# KiCad board corne-chocolate.kicad_pcb (continued)
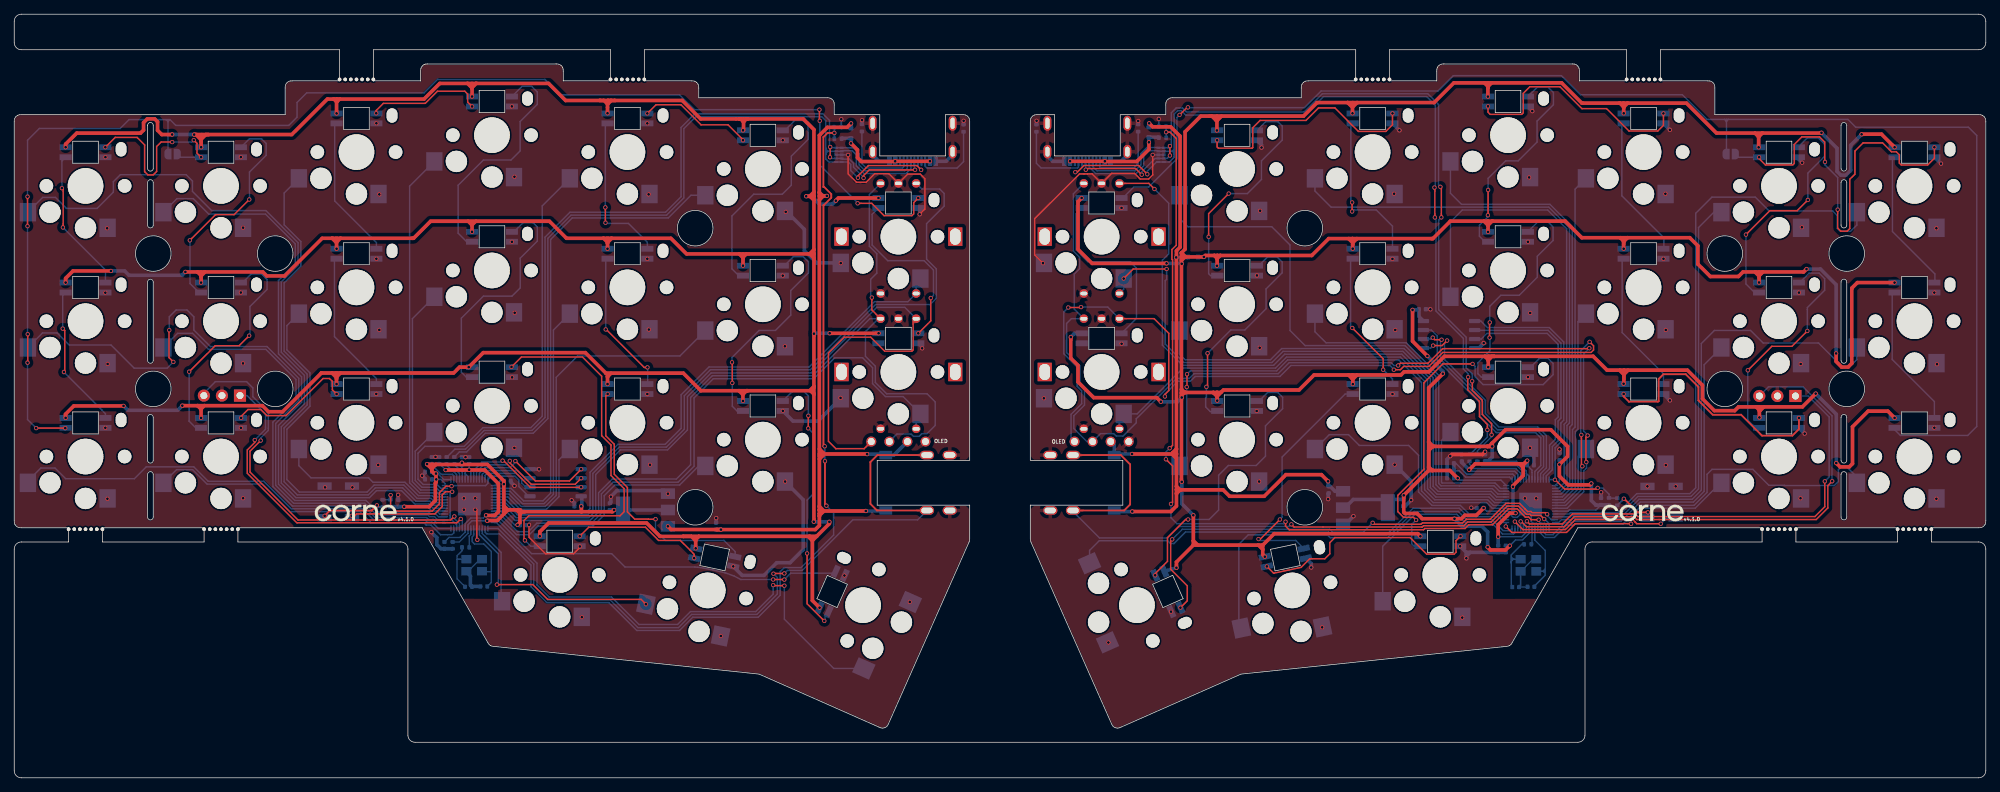
[diagram p0: board, top side]
## Routing (per net, layer and track width the routed paths; a pad name or vN(x,y) marks a point on that pad's centre or on a via; arc(x,y) is an arc through that point) (continued)
/right/D-: length 133.3
  Top w0.203: v1(199.71,83.09) 199.76,83.04 v1(199.76,78.88) ; v1(204.43,56.4) 204.39,56.36 204.39,54.62 206.03,52.98 206.03,50.85 207.14,49.74 207.14,48.97 v1(207.14,48.97) ; v1(159.33,84.96) 158.09,86.19 150.41,86.19 149.48,85.26 v1(149.21,85.26)
  Bottom w0.203: 163.1,87.35 163.1,87.84 163.1,87.97 ; 163.1,87.35 162.43,86.69 rU3.5 rU3.6 160.63,86.69 159.33,85.39 v1(159.33,84.96) ; 163.1,87.35 163.1,88.11 163.02,88.19 162.85,88.19 ; 163.1,87.97 162.88,88.19 162.85,88.19 ; 163.1,87.97 163.1,88.46 ; 162.85,88.19 rU3.2 rU3.9 160.78,88.29 159.39,88.29 158.82,87.72 158.82,86.14 157.74,85.07 152.07,85.07 151.15,85.99 rJ1.A7 ; 162.85,88.19 162.85,88.22 163.1,88.46 ; v1(199.71,83.09) 199.83,83.21 199.83,94.68 198.61,95.9 184.1,95.9 181.49,93.29 164.72,93.29 164.11,93.91 163.59,93.91 163.1,93.41 163.1,88.46 ; v1(199.76,78.88) 199.91,78.74 199.91,65.72 203.77,61.86 203.77,57.55 204.43,56.89 v1(204.43,56.4) ; rR5.2 204.74,45.56 207.14,47.97 v1(207.14,48.97) ; v1(149.21,85.26) 149.48,85.26 150.15,85.93 rJ1.B7
/right/KEY1: length 64.2
  Bottom w0.203: rSW1.1 151.21,32.01 152.57,33.37 162.19,33.37 162.58,32.97 163.07,32.97 164.69,34.59 184.82,34.59 185.21,34.2 192.94,34.2 196.7,37.95 199.2,37.95 199.2,37.95 203.19,37.95 204.39,36.75 208.7,36.75 209.11,36.34 rU1.30
/right/KEY2: length 76.6
  Top w0.203: v1(164.91,56.81) 164.91,55.06 v1(164.86,55.01)
  Bottom w0.203: rU1.34 207.83,37.94 207.04,38.74 199.53,38.74 197.88,40.38 197.88,55.64 194.7,58.83 179.06,58.83 177.51,57.28 165.38,57.28 v1(164.91,56.81) ; rSW2.1 164.86,44.92 v1(164.86,55.01)
/right/KEY3: length 67.8
  Bottom w0.203: rU1.38 208.46,39.54 207.69,40.31 200.23,40.31 199.51,41.03 199.51,56.33 195.42,60.42 178.22,60.42 176.65,58.85 164.64,58.85 163.85,59.64 rSW3.1
/right/KEY4: length 81.2
  Bottom w0.203: 163.85,82 163.85,78.75 165.03,77.57 176.82,77.57 179.39,75 179.39,62.97 181.52,60.84 195.56,60.84 199.91,56.5 199.91,41.26 200.46,40.7 207.85,40.7 208.61,39.94 rU1.39
/right/KEY5: length 78
  Bottom w0.203: rU1.3 217.33,40.34 218.33,41.34 218.33,49.59 218.68,49.95 218.68,77.43 215.78,80.33 185.16,80.33 182.9,82.6 rSW5.1
/right/KEY6: length 47.6
  Bottom w0.203: rSW6.1 182.9,62.79 184.46,61.23 195.73,61.23 200.3,56.66 200.3,41.43 200.63,41.1 203.22,41.1 203.22,41.1 208.08,41.1 208.83,40.34 rU1.40
/right/KEY7: length 35.5
  Bottom w0.203: rU1.31 209.26,36.74 208.86,37.14 204.56,37.14 203.35,38.34 199.36,38.34 197.47,40.24 197.47,45.4 196.08,46.78 189.14,46.78 187.62,48.3 184.92,48.3 rSW7.1
/right/KEY8: length 53.9
  Bottom w0.203: rU1.28 210.31,34.79 209.37,34.79 207.81,36.35 204.19,36.35 203.05,37.5 196.8,37.5 193.11,33.8 185.05,33.8 184.65,34.2 173.52,34.2 172.2,32.88 172.2,21.43 rSW8.1
/right/KEY9: length 30
  Bottom w0.203: rU1.27 211.02,34.51 210.84,34.32 209.28,34.32 207.64,35.96 203.96,35.96 202.82,37.1 196.97,37.1 193.27,33.41 193.24,33.41 192.43,32.6 rSW9.1
/right/KEY10: length 17
  Bottom w0.203: rU1.41 209.78,40.73 209,40.73 208.24,41.49 203.39,41.49 203.38,41.49 200.79,41.49 200.69,41.59 200.69,47.49 201.88,48.67
/right/KEY11: length 66.2
  Bottom w0.203: rSW11.1 201.95,78.26 203.62,79.93 215.62,79.93 218.29,77.26 218.29,50.11 217.94,49.76 217.94,41.5 217.18,40.74 rU1.2
/right/KEY12: length 62.7
  Bottom w0.203: rSW12.1 201.95,82.28 203.51,80.73 215.94,80.73 219.08,77.59 219.08,49.73 218.72,49.38 218.72,41.17 217.49,39.94 rU1.4
/right/KEY13: length 47.2
  Bottom w0.203: rU1.5 217.68,39.54 219.12,40.98 219.12,49.02 219.47,49.37 219.47,82.86 rSW13.1
/right/KEY14: length 28.7
  Bottom w0.203: rSW14.1 219.88,64.22 219.88,49.1 219.51,48.73 219.51,40.82 217.83,39.14 rU1.6
/right/KEY15: length 10.1
  Bottom w0.203: rSW15.1 219.91,45.19 219.91,40.66 217.99,38.74 rU1.7
/right/KEY16: length 34.5
  Top w0.203: v1(227.35,35.75) 227.33,35.77 219.5,35.77 218.27,34.55 210.57,34.55 v1(209.73,35.38)
  Bottom w0.203: rU1.29 209.78,35.44 v1(209.73,35.38) ; rSW16.1 239.93,41.52 236.37,37.96 228.99,37.96 227.35,36.31 v1(227.35,35.75)
/right/KEY17: length 47.1
  Bottom w0.203: rU1.17 215.02,34.58 215.38,34.23 216.37,34.23 218.1,35.95 219.14,35.95 219.31,36.13 225.94,36.13 228.63,38.81 236.11,38.81 237.62,40.32 237.62,58.14 rSW17.1
/right/KEY18: length 62.7
  Bottom w0.203: rSW18.1 239,79.62 236.83,77.46 236.83,40.67 235.77,39.61 228.31,39.61 225.61,36.91 218.99,36.91 218.81,36.74 rU1.12
/right/KEY19: length 88.8
  Bottom w0.203: rSW19.1 259.1,77.82 258.21,76.93 256.76,76.93 256.35,77.34 256.35,79.14 255.69,79.8 246.76,79.8 244.82,81.74 238.72,81.74 236.44,79.47 236.44,40.83 235.61,40 228.15,40 225.45,37.31 218.82,37.31 218.66,37.14 rU1.11
/right/KEY20: length 70
  Bottom w0.203: rSW20.1 259.1,58.88 258.06,57.84 257.08,57.84 253.71,61.21 245.92,61.21 244.16,62.97 239.06,62.97 237.23,61.14 237.23,40.49 235.96,39.21 228.47,39.21 225.78,36.52 219.15,36.52 218.98,36.35 217.58,36.35 217.18,35.94 rU1.14
/right/KEY21: length 55.3
  Bottom w0.203: rSW21.1 259.1,42.35 257.66,43.79 256.91,43.79 256.5,43.38 256.5,41.71 255.93,41.14 248.95,41.14 248.92,41.18 246.72,41.18 244.48,43.42 238.74,43.42 238.03,42.72 238.03,40.18 236.2,38.35 228.83,38.35 226.21,35.73 219.48,35.73 219.3,35.56 218.3,35.56 216.57,33.83 215.21,33.83 214.62,34.43 rU1.18
/right/KEYEX1: length 86.9
  Top w0.203: v1(156,70.28) 157.35,71.63 162.04,71.63 v1(162.04,71.62)
  Bottom w0.203: v1(156,70.28) 156,68.78 rEXSW1.S2 ; v1(162.04,71.62) 162.04,70.17 161.83,69.97 161.83,61.07 164.44,58.46 176.85,58.46 178.42,60.03 195.26,60.03 199.12,56.17 199.12,40.86 200.07,39.92 207.52,39.92 208.3,39.14 rU1.37
/right/KEYEX2: length 78.4
  Bottom w0.203: rU1.35 207.99,38.34 207.2,39.13 199.74,39.13 198.32,40.55 198.32,55.81 194.91,59.22 178.9,59.22 177.35,57.67 164.34,57.67 157.9,51.23 rEXSW2.S2 156,50.73 155.4,50.13
  Bottom w0.25: rEXSW2.S2 155.4,50.63 rEXSW2.S2
/right/LED: length 68.6
  Top w0.203: v1(163.99,23.95) 164.95,24.92 164.95,27.02 162.61,29.36 162.61,33.35 v1(162.83,33.57) ; v1(191.01,35.89) 191.21,35.7 197.82,35.7 198,35.88 203.67,35.88 204.2,36.4 207.53,36.4 209.76,38.64 211.67,38.64 212.48,37.83 212.48,37.81 212.8,37.49 213.28,37.49 213.45,37.32 215.33,37.32 v1(215.55,37.1)
  Bottom w0.203: v1(162.83,33.57) 164.25,34.99 184.99,34.99 185.39,34.59 189.71,34.59 v1(191.01,35.89) ; rU1.13 216.14,36.34 215.55,36.93 v1(215.55,37.1)
/right/QSPI_SCLK: length 32.2
  Top w0.203: v1(200.7,61.67) 199.76,61.67 v1(199.46,61.96)
  Bottom w0.203: v1(200.7,61.67) 200.64,61.72 200.56,61.72 200.56,58.88 206.47,52.97 206.47,51.08 208.56,48.99 214.07,48.99 215.05,48.02 215.05,43.79 214.23,42.97 214.23,41.98 rU1.52 ; v1(199.46,61.96) 199.26,61.76 rU4.6
/right/QSPI_SD0: length 33
  Top w0.203: v1(199.52,60.84) 200.77,60.84 v1(201.48,61.55)
  Bottom w0.203: v1(199.52,60.84) 199.16,60.49 rU4.5 ; rU1.53 214.62,42.81 215.44,43.63 215.44,48.18 214.24,49.38 208.75,49.38 206.87,51.27 206.87,53.13 201.12,58.88 201.12,61.19 v1(201.48,61.55)
/right/QSPI_SD1: length 33
  Bottom w0.203: rU1.55 215.42,42.5 216.28,43.35 216.28,46.62 217.09,47.43 217.09,50.23 217.49,50.63 217.49,61.19 215.68,62.99 205.39,62.99 rU4.2
/right/QSPI_SD2: length 32.6
  Bottom w0.203: rU4.3 206.29,61.76 207.08,62.56 215.56,62.56 217.09,61.02 217.09,50.79 216.69,50.39 216.69,47.64 215.88,46.83 215.88,43.52 215.02,42.65 rU1.54
/right/QSPI_SD3: length 32.1
  Bottom w0.203: rU4.7 199.27,63.03 200.09,62.2 200.09,61.11 200.11,61.09 200.11,60.6 200.09,60.58 200.09,58.79 206.08,52.8 206.08,50.9 208.39,48.6 213.91,48.6 214.66,47.85 214.66,43.96 213.82,43.12 rU1.51
/right/QSPI_SS: length 44.8
  Top w0.203: v1(216.64,41.96) 216.69,41.96 218,40.64 222.48,40.64 v1(222.65,40.81)
  Bottom w0.203: v1(222.65,40.81) 222.68,40.79 223.39,40.79 224.25,39.93 rR7.1 224.28,39.37 rR6.1 ; rU4.1 206.23,64.3 207.14,63.38 215.85,63.38 217.88,61.35 217.88,50.34 217.48,49.94 217.48,47.26 216.67,46.45 216.67,41.99 v1(216.64,41.96) 216.62,41.98 rU1.56
/right/RE0A: length 96.2
  Top w0.203: rEXSW1.A 159.53,83.68 v1(160.33,82.88)
  Bottom w0.203: rU1.36 208.15,38.74 207.36,39.52 199.9,39.52 198.73,40.7 198.73,56.01 195.1,59.63 178.65,59.63 177.08,58.07 164.28,58.07 161.44,60.91 161.44,72.86 162.33,73.75 162.33,80.88 v1(160.33,82.88)
/right/RE1A: length 136.9
  Top w0.203: rEXSW2.A 160.28,64.63 162.34,62.57 162.34,54.5 161.8,53.96 v1(161.8,53.68) ; v1(150.01,66.26) 149.95,66.2 v1(148.21,66.2) ; v1(221.52,61.36) 222.07,60.81 222.07,60.23 221.72,59.88 200.87,59.88 198.9,57.91 195.37,57.91 194.91,57.45 v1(193.99,57.45) ; v1(220.36,48.26) 220.36,47.81 220.37,47.8 220.37,43.98 v1(220.5,43.85)
  Bottom w0.203: rJ3.1 148.61,47.82 148.61,51.17 150.1,52.66 150.1,54.46 149.46,55.11 149.46,57.83 147.58,59.7 147.58,65.57 v1(148.21,66.2) ; v1(161.8,53.68) 161.8,54 163.63,55.83 165.39,55.83 166.06,56.49 177.97,56.49 179.52,58.04 193.44,58.04 193.99,57.49 v1(193.99,57.45) ; v1(220.36,48.26) 220.27,48.35 220.27,60.12 v1(221.52,61.36) ; rEXSW2.A 153.77,66.26 v1(150.01,66.26) ; rU1.8 218.14,38.34 220.3,40.5 220.3,43.66 v1(220.5,43.85)
/right/REB: length 145.8
  Top w0.203: v1(221.06,44.44) 220.99,44.51 220.99,47.93 v1(221.24,48.18) ; v1(194.6,58.04) 194.92,58.36 198.8,58.36 200.85,60.41 221.42,60.41 v1(221.48,60.47)
  Bottom w0.203: rU1.9 218.35,37.94 220.69,40.29 220.69,43.21 221.09,43.61 221.09,44.41 v1(221.06,44.44) ; v1(221.48,60.47) 220.67,59.66 220.67,48.84 221.24,48.26 v1(221.24,48.18) ; v1(194.6,58.04) 194,58.04 193.61,58.43 179.27,58.43 177.72,56.89 165.89,56.89 165.23,56.22 163.45,56.22 157.77,50.54 157.77,49.97 155.91,48.11 154.96,48.11 154.62,48.45 152.75,48.45 rJ3.2 150.83,47.33 149,49.16 149,50.97 150.49,52.47 150.49,54.67 149.85,55.31 149.85,57.99 147.97,59.87 147.97,63.96 148.65,64.63 rEXSW2.B 149.05,65.98 149.05,70.91 149.81,71.67 149.81,73.26 148.93,74.14 148.93,82.21 rEXSW1.B
/right/SWCLK: length 63.4
  Top w0.203: v1(254.59,41.73) 254.59,41.72 254.59,38.16 253.2,36.77 228.28,36.77 227.91,37.14 219.09,37.14 217.69,35.74 213.07,35.74 v1(212.71,36.11)
  Bottom w0.203: rU1.24 212.22,35.62 v1(212.71,36.11) ; v1(254.59,41.73) 255.2,42.34 255.2,50.8 252.25,53.75 rJ4.1
/right/SWD: length 71.6
  Top w0.203: v1(255.63,41.75) 255.02,41.13 255.02,37.99 253.38,36.36 231.28,36.36 231.28,36.35 228.14,36.35 227.75,36.75 219.35,36.75 217.93,35.33 212.65,35.33 211.89,36.09 v1(211.82,36.09)
  Bottom w0.203: v1(211.82,36.09) rU1.25 ; v1(255.63,41.75) 255.6,41.78 255.6,50.96 251.52,55.04 246.67,55.04 rJ4.3
/right/TX: length 95
  Top w0.203: v1(215.14,36.42) 214.64,36.93 213.28,36.93 213.12,37.1 212.63,37.1 212.09,37.64 212.09,37.67 211.51,38.24 209.93,38.24 207.69,36.01 204.36,36.01 203.83,35.49 198.17,35.49 197.98,35.3 179.96,35.3 v1(179.58,35.68)
  Top w0.25: rJ2.R 156.06,37.63 156.91,38.48 156.91,44.12 155.6,45.43 rJ2.R
  Bottom w0.203: v1(179.58,35.68) 179.28,35.38 163.8,35.38 162.19,33.76 152.6,33.76 148.88,37.48 ; v1(215.14,36.42) 215.18,36.42 215.82,35.78 rU1.15
/right/USB_VBUS_PIN: length 114.8
  Top w0.203: v1(162.47,46.39) 162.88,46.8 162.88,72.92 162.79,73.01 162.79,74.36 163.39,74.96 163.39,90.02 162.53,90.88 v1(161.97,90.88) ; v1(214.36,36.34) 213.3,36.34 213.3,36.36 212.95,36.7 212.47,36.7 211.69,37.48 211.69,37.5 211.35,37.85 210.09,37.85 207.86,35.62 204.52,35.62 204,35.09 198.34,35.09 198.16,34.91 179.29,34.91 178.76,35.44 v1(178.76,36.05) ; v1(162.66,38.55) 162.88,38.77 162.88,43.9 v1(161.94,44.84)
  Bottom w0.203: rR9.1 161.97,91.67 rR8.2 ; v1(162.47,46.39) 161.94,45.86 v1(161.94,44.84) ; rU1.16 215.42,35.62 215.21,35.83 214.65,35.83 214.36,36.13 v1(214.36,36.34) ; v1(162.66,38.55) 162.66,36.6 163.49,35.77 178.48,35.77 v1(178.76,36.05)
Net-(C2-Pad1): length 7.6
  Bottom w0.203: R3.1 62.97,31.96 62.28,31.27 62.28,30.78 ; C2.1 62.28,28.01 62.28,30.78 ; 62.28,30.78 62.29,30.77 Y1.3
Net-(D1-K): length 526.7
  Top w0.203: 7.22,50.67 v1(7.23,50.66) ; 83.42,55.42 v1(83.43,55.42) ; 45.32,55.42 v1(45.33,55.42) ; 26.29,69.71 26.28,69.71 v1(26.28,69.71) ; 112.46,36.04 v1(112.43,36.04)
  Top w0.508: 83.43,56.4 v1(83.43,55.42) ; 83.43,56.4 83.43,56.73 83.2,56.96 ; 83.43,56.4 83.43,56.46 83.92,56.96 ; 64.38,78.32 v1(64.38,76.85) ; 26.82,71.21 34.95,71.21 35.51,70.65 38.01,70.65 43.31,75.95 44.71,75.95 ; 26.82,71.21 25.76,71.21 ; 26.82,71.21 26.3,70.69 ; 102.95,73.75 101.95,73.75 ; 102.95,73.75 102.48,73.27 102.48,73.15 ; 102.95,73.75 111.75,73.75 ; 101.95,73.75 102.48,73.22 102.48,73.15 ; 101.95,73.75 94.53,73.75 92.33,75.95 84.01,75.95 ; 44.95,95.55 44.03,95.55 39.03,90.55 27.27,90.55 ; 44.95,95.55 45.33,95.17 ; 44.95,95.55 45.75,95.55 ; 102.48,73.15 102.48,73.75 ; 102.48,73.15 v1(102.48,72.09) ; 44.71,75.95 45.87,75.95 ; 44.71,75.95 45.23,75.43 ; 82.87,75.95 77.66,75.95 75.26,78.35 64.88,78.35 ; 82.87,75.95 83.43,75.39 ; 82.87,75.95 84.01,75.95 ; 101.95,92.75 102.15,92.75 102.55,92.35 ; 101.95,92.75 96.53,92.75 93.93,95.35 84.46,95.35 ; 101.95,92.75 102.55,92.75 ; 26.28,51.89 25.78,52.39 ; 26.28,51.89 v1(26.28,50.66) ; 26.28,51.89 26.28,51.93 26.73,52.39 ; 25.78,52.39 v1(23.64,52.39) ; 25.78,52.39 26.73,52.39 ; 45.89,56.99 61.79,56.99 62.61,57.8 v1(63.91,57.8) 65.96,59.85 80.31,59.85 83.2,56.96 ; 45.89,56.99 44.68,56.99 ; 45.89,56.99 45.31,56.41 45.32,56.41 45.32,56.15 ; 103.11,54.49 111.95,54.49 ; 103.11,54.49 101.91,54.49 ; 103.11,54.49 102.97,54.49 102.45,53.97 102.43,53.97 101.91,54.49 ; 83.46,75.39 84.01,75.95 ; v1(114.66,62.57) v1(121.54,62.57) ; 102.55,92.35 102.95,92.75 103.15,92.75 ; 102.55,92.35 102.55,91.22 v1(102.48,91.14) ; 102.55,92.35 102.55,92.75 ; v1(111.36,81.86) 111.85,81.86 ; 111.85,81.86 112.46,81.86 ; 111.85,81.86 111.87,81.86 ; 111.86,73.75 112.46,74.35 ; 111.86,73.75 112.46,73.15 ; 111.86,73.75 111.75,73.75 ; 112.46,74.35 112.46,81.31 ; 112.46,74.35 112.46,73.75 ; 111.82,33.99 111.82,33.8 112.23,33.39 ; 111.82,33.99 96.28,33.99 ; 111.82,33.99 112.83,33.99 ; 25.76,71.21 v1(24.07,71.21) ; 25.76,71.21 26.29,70.69 ; 111.95,54.58 112.46,55.09 112.46,54 111.96,54.49 ; v1(7.23,69.71) 7.23,70.31 8.26,71.35 v1(13.6,71.35) ; 64.38,77.84 64.88,78.35 ; 64.88,78.35 63.84,78.35 ; 26.29,89.81 26.29,89.88 26.95,90.55 27.27,90.55 ; 26.29,89.81 25.55,90.55 v1(25.3,90.55) 27.27,90.55 ; 26.29,89.81 26.29,89.56 ; 101.91,54.49 96.56,54.49 94.09,56.96 83.92,56.96 ; v1(7.23,88.76) 7.23,89.2 8.78,90.75 17.75,90.75 18.19,91.18 18.19,92.23 18.72,92.76 19.74,92.76 20.16,92.34 20.16,91.14 20.75,90.55 22.2,90.55 v1(22.21,90.56) ; 112.46,82.45 112.46,91.24 110.95,92.75 103.15,92.75 ; 112.46,82.45 112.46,81.86 ; 112.46,82.45 111.87,81.86 ; 112.23,33.39 112.23,24.96 v1(113.24,23.95) ; 112.23,33.39 112.83,33.99 ; 45.33,95.15 45.35,95.15 45.75,95.55 ; 45.33,95.15 v1(45.33,93.52) ; 45.33,95.15 45.33,95.52 45.35,95.55 ; 112.46,81.31 111.9,81.86 111.87,81.86 ; 112.46,81.31 112.46,81.86 ; 26.35,90.55 26.29,90.48 26.29,89.56 ; 112.46,73.15 v1(112.46,62.52) 112.46,54.97 ; 112.46,73.15 112.46,73.75 ; 83.43,75.8 83.43,75.23 ; 83.43,75.23 83.43,75.25 ; 83.43,75.23 v1(83.43,74.47) ; v1(95.82,32.29) 95.82,33.39 95.81,33.39 ; 83.2,56.96 83.92,56.96 ; 45.87,75.95 45.35,75.43 ; 45.87,75.95 56.15,75.95 58.55,78.35 63.84,78.35 ; v1(64.38,95.9) 64.38,97.15 ; 64.38,97.15 64.38,97.75 ; 64.38,97.15 64.35,97.15 ; 83.95,95.35 83.48,95.35 83.43,95.29 v1(83.43,93.54) ; 83.95,95.35 84.46,95.35 ; 83.95,95.35 83.46,94.85 83.43,94.85 82.93,95.35 82.35,95.35 ; 82.35,95.35 77.54,95.35 75.14,97.75 64.95,97.75 ; 82.35,95.35 84.46,95.35 ; 26.29,69.71 26.29,70.49 ; 26.29,70.49 26.29,70.5 ; 26.29,70.49 26.29,71.02 ; 45.32,56.15 45.32,56.16 ; 45.32,56.15 45.32,55.42 ; 45.32,56.15 45.32,56.73 ; v1(26.29,88.76) 26.29,89.56 ; 45.75,95.55 57.63,95.55 59.83,97.75 63.75,97.75 ; 44.68,56.99 43.18,56.99 43.18,56.98 37.74,51.53 35.75,51.53 34.89,52.39 26.73,52.39 ; 44.68,56.99 45.25,56.41 ; 64.35,97.15 63.75,97.75 ; 64.35,97.15 64.95,97.75 ; 63.75,97.75 64.95,97.75 ; 103.15,92.75 102.55,92.75 ; 96.28,33.99 94.1,33.99 94.09,33.98 ; 96.28,33.99 95.81,33.53 95.81,33.39 ; 95.81,33.39 95.22,33.98 94.09,33.98 ; v1(121.53,81.62) 121.52,81.61 115.91,81.61 v1(115.53,81.24) ; v1(45.33,74.47) 45.33,75.79 ; 94.09,33.98 90.8,33.98 88.92,35.86 75.14,35.86 73.9,34.62 v1(73.9,34) ; v1(114.63,36.03) 114.63,35.79 112.83,33.99 ; 111.75,73.75 112.46,73.75 ; 64.35,77.84 63.84,78.35 ; 112.46,53.88 112.46,36.04 ; 102.47,53.03 102.47,53.79 ; 7.22,50.67 7.22,51.19 8.37,52.35 v1(15.37,52.35)
  Bottom w0.203: 114.62,36.04 v1(114.63,36.03) ; 111.41,81.91 v1(111.36,81.86)
  Bottom w0.508: v1(25.3,90.55) 25.29,90.56 v1(22.21,90.56) ; v1(114.66,62.57) 112.51,62.57 v1(112.46,62.52) ; v1(112.43,36.04) 114.62,36.04 ; v1(13.6,71.35) 15.53,71.35 16.14,70.74 23.6,70.74 v1(24.07,71.21) ; EXLED2.1 121.53,62.57 v1(121.54,62.57) ; v1(15.37,52.35) 15.98,51.74 22.99,51.74 v1(23.64,52.39) ; 111.41,81.91 D1.1 112.15,81.82 113.21,80.76 115.05,80.76 v1(115.53,81.24) ; LED8.1 95.83,32.29 v1(95.82,32.29)
  vias: v1(102.48,53.04)
Net-(EXLED1-DIN): length 196.1
  Top w0.203: v1(127.13,81.62) 126.48,80.97 126.48,79.39 126.22,79.13 122.31,79.13 120.57,80.87 v1(118.59,80.87) ; v1(113.27,92.48) 113.22,92.53 v1(113.22,94.06) ; v1(1.87,58.44) 1.9,58.47 v1(1.9,62.45) ; v1(7.18,49.22) 3.08,49.22 v1(3.08,49.23) ; v1(1.87,81.81) v1(1.87,77.66)
  Bottom w0.203: 21.62,92.4 21.63,92.41 21.63,92.65 ; 21.62,92.4 21.59,92.4 ; 21.62,92.4 JP1.2 ; 21.59,92.4 21.34,92.65 ; 21.59,92.4 21.65,92.4 21.9,92.65 ; 21.34,92.65 16.14,92.65 14.9,91.41 3.53,91.41 1.87,89.75 v1(1.87,81.81) ; 21.34,92.65 21.63,92.65 ; 21.9,92.65 21.63,92.65 ; 21.9,92.65 22.72,91.84 38.61,91.84 39.77,93 39.77,95.06 41.13,96.42 57.63,96.42 59.52,98.31 74.63,98.31 76.8,96.14 93.56,96.14 95.64,94.06 v1(113.22,94.06) ; v1(1.87,58.44) 1.87,50.43 v1(3.08,49.23) ; LED21.2 7.22,49.26 v1(7.18,49.22) ; v1(1.87,77.66) 1.87,62.48 v1(1.9,62.45) ; v1(113.27,92.48) 113.28,92.47 113.28,86.25 118.59,80.94 118.66,80.94 v1(118.59,80.87)
Net-(EXLED1-DOUT): length 25.5
  Top w0.203: v1(128.88,67.55) 128.88,64.32 v1(127.13,62.57)
  Bottom w0.203: EXLED1.2 120.63,79.33 120.63,74.99 122.83,72.79 127.94,72.79 129.26,71.47 129.26,67.93 v1(128.88,67.55)
Net-(J1-CC1): length 11.5
  Bottom w0.203: J1.A5 125.08,86.02 124.91,85.85 119.8,85.85 119.2,86.46 R1.2
Net-(J1-CC2): length 10.8
  Bottom w0.203: J1.B5 128.08,86.11 128.35,85.83 132.58,85.83 133.49,86.74 R2.2
Net-(JP1-A): length 27.8
  Top w0.203: v1(22.21,89.49) 22.2,89.5 20.66,89.5 20.03,88.87 20.03,85.36 19.55,84.88 18.78,84.88 18.34,85.33 18.34,89.09 17.28,90.15 14.2,90.15 v1(12.82,88.76) ; v1(25.25,89.76) 25.69,89.32 25.69,87.94 v1(26.28,87.36)
  Bottom w0.203: v1(25.25,89.76) 24.98,89.49 v1(22.21,89.49) ; JP1.1 23.36,87.36 v1(26.28,87.36)
Net-(LED1-DOUT): length 39.3
  Top w0.203: v1(113.91,22.08) 113.9,22.08 111.49,24.49 111.49,31.58 v1(111.49,31.58) ; v1(111.67,50.96) 111.65,50.94 v1(111.65,49.19)
  Bottom w0.203: v1(113.91,22.08) 114.02,22.19 114.02,22.88 LED1.2 ; v1(111.49,31.58) 111.49,39.09 112.29,39.89 112.29,48.55 v1(111.65,49.19) ; LED2.4 109.47,54.44 111,54.44 111.67,53.77 v1(111.67,50.96)
Net-(LED2-DOUT): length 32.3
  Top w0.203: v1(100.97,55.58) 100.97,58.44 v1(100.93,58.48)
  Bottom w0.203: v1(100.97,55.58) 100.97,52.3 101.63,51.64 LED2.2 ; v1(100.93,58.48) 100.93,59.17 104.73,62.97 107.03,62.97 109.19,65.13 109.19,68.59 111.68,71.08 111.68,72.62 110.95,73.35 109.55,73.35 108.29,72.09 LED3.4
Net-(LED3-DOUT): length 33.9
  Bottom w0.203: 101.9,70.69 LED3.2 101.87,70.69 100.92,71.64 100.92,79.09 103.98,82.15 108,82.15 109.27,83.42 109.27,87.51 111.62,89.86 111.62,91.81 110.91,92.52 109.74,92.52 108.36,91.14 LED4.4
Net-(LED4-DOUT): length 16.1
  Top w0.203: v1(102.48,89.74) 102.48,89.82 100.38,91.92 96.59,91.92 93.75,94.75 90.25,94.75 v1(89.03,93.52)
Net-(LED5-DOUT): length 22.1
  Top w0.203: v1(83.14,78.13) 83.12,78.15 v1(83.12,80.29)
  Bottom w0.203: v1(83.12,80.29) 83.12,91.82 LED5.2 ; v1(83.14,78.13) 83.23,78.04 86.36,78.04 89.03,75.38 LED6.4
Net-(LED6-DOUT): length 20.5
  Top w0.203: v1(89.04,57.77) 88.58,57.77 83.24,63.11 v1(83.17,63.11)
  Bottom w0.203: v1(83.17,63.11) 83.18,63.12 83.18,72.83 LED6.2 ; LED7.4 89.07,55.47 89.07,57.74
Net-(LED7-DOUT): length 37.1
  Top w0.203: v1(90.18,36.4) 89.15,36.4 89.15,36.41 87.25,36.41 86.22,37.44 86.22,40.87 84.37,42.72 84.37,46.95 83.19,48.13 83.19,53.78 v1(83.44,54.03)
  Bottom w0.203: v1(90.18,36.4) 90.18,34.8 91.57,33.41 99.8,33.41 101.38,31.84 LED8.4 ; v1(83.44,54.03) 83.43,54.02 LED7.2
Net-(LED8-DOUT): length 18.8
  Top w0.203: v1(95.61,30.92) 95.61,31.46 93.66,33.41 90.6,33.41 88.74,35.27 80.78,35.27 v1(79.51,34)
  Bottom w0.203: LED9.4 79.51,34 v1(79.51,34)
Net-(LED10-DIN): length 54.7
  Top w0.203: v1(71.82,33.42) 71.68,33.56 71.68,36.21 72.35,36.88 85.18,36.88 85.76,37.47 85.76,40.7 83.91,42.55 83.91,46.85 82.6,48.16 82.6,56.53 79.9,59.24 71.32,59.24 v1(69.92,57.83)
  Bottom w0.203: v1(69.92,57.83) 69.95,57.8 LED10.4 ; v1(71.82,33.42) 72.63,32.6 LED9.2
Net-(LED10-DOUT): length 33.4
  Bottom w0.203: LED10.2 63.57,56.4 62.87,57.1 62.87,64.7 65.97,67.8 69.99,67.8 71.15,68.96 71.15,73.15 73.55,75.55 73.55,77.55 72.95,78.15 71.55,78.15 70.26,76.85 69.98,76.85
Net-(LED11-DOUT): length 33.7
  Bottom w0.203: LED11.2 63.63,75.45 62.42,76.66 62.42,83.41 65.97,86.96 69.85,86.96 71.14,88.25 71.14,92.39 73.55,94.8 73.55,96.55 72.75,97.35 71.42,97.35 LED12.4
Net-(LED12-DOUT): length 16.5
  Top w0.203: v1(64.38,94.5) 63.76,95.12 63.76,96.24 63.35,96.65 59.51,96.65 57.81,94.95 51.91,94.95 50.91,93.94 v1(50.91,93.54)
Net-(LED13-DOUT): length 20.2
  Bottom w0.203: LED13.2 45.06,91.86 45.06,81.2 50.93,75.34 LED14.4
Net-(LED14-DOUT): length 20.2
  Bottom w0.203: LED15.4 50.93,56.21 45.03,62.1 45.03,72.78 LED14.2
Net-(LED15-DOUT): length 18.2
  Top w0.203: v1(31.91,50.65) 31.91,50.88 32.87,51.84 34.67,51.84 35.52,50.99 38.21,50.99 43.43,56.21 44.33,56.21 44.73,55.81 44.73,54.62 v1(45.33,54.02)
Net-(LED16-DOUT): length 33.1
  Top w0.203: v1(33.04,62.24) 31.62,60.82 28.26,60.82 v1(24.6,57.16)
  Bottom w0.203: v1(24.6,57.16) 24.6,50.23 24.58,50.21 25.53,49.26 LED16.2 ; v1(33.04,62.24) 33.15,62.35 33.15,66.35 35.55,68.75 35.55,70.15 34.75,70.95 33.35,70.95 32.11,69.71 LED17.4
Net-(LED17-DOUT): length 32.1
  Top w0.203: v1(33.05,81.41) 30.92,79.28 28.31,79.28 v1(24.69,75.66)
  Bottom w0.203: LED17.2 25.98,68.31 24.72,69.58 24.72,75.63 v1(24.69,75.66) ; v1(33.05,81.41) 33.08,81.44 33.08,85.28 35.42,87.62 35.42,89.3 34.78,89.95 33.06,89.95 LED18.4
Net-(LED19-DOUT): length 20.4
  Top w0.203: v1(6.71,83) 6.88,82.83 6.88,77.69 6.85,77.66 v1(6.85,77.47)
  Bottom w0.203: v1(6.85,77.47) 12.83,71.49 LED20.4 ; v1(6.71,83) 6.71,86.84 LED19.2
Net-(LED20-DOUT): length 20.4
  Top w0.203: v1(6.82,63.23) 7.11,62.94 7.11,57.23 v1(6.99,57.11)
  Bottom w0.203: v1(6.82,63.23) 6.82,67.9 LED20.2 ; LED21.4 12.83,51.25 12.34,51.74 12.34,51.77 v1(6.99,57.11)
Net-(R6-Pad2): length 8.8
  Top w0.25: v1(51,38.35) 50.27,37.61 44.38,37.61 v1(43.65,36.88)
  Bottom w0.25: v1(51,38.35) 51.22,38.12 R6.2
Net-(rC2-Pad1): length 9.5
  Bottom w0.203: 210.81,30.77 210.81,30.78 ; 210.81,30.77 210.5,30.77 210.5,30.25 ; 210.81,30.77 211.81,30.77 ; 210.81,30.78 210.5,31.09 ; 210.81,30.78 210.79,30.78 210.5,30.48 ; rR3.1 212,32.87 210.5,31.36 210.5,31.09 ; 210.5,30.25 210.51,30.24 210.51,26.98 ; 210.5,30.25 210.5,30.48 ; 210.5,31.09 210.5,30.48
Net-(rD1-K): length 570.9
  Top w0.203: 188.18,56.5 188.15,56.47
  Top w0.508: 225.83,76.03 220.42,76.03 218.08,78.36 207.84,78.36 ; 225.83,76.03 226.85,76.03 ; 225.83,76.03 226.31,75.55 226.31,75.43 ; v1(226.3,55.47) 226.34,55.51 226.34,56.85 ; 188.22,94.45 188.82,95.05 ; 188.82,95.05 199.64,95.05 202.42,97.83 206.72,97.83 ; 188.82,95.05 187.51,95.05 ; 169.76,93.15 181.29,93.15 183.19,95.05 187.51,95.05 ; 169.76,93.15 166.85,93.15 164.63,90.93 164.63,74.41 164.12,73.9 ; 169.76,93.15 169.16,92.55 ; 225.74,57.38 223.98,57.38 222.03,59.33 208.09,59.33 ; 225.74,57.38 226.27,56.85 226.34,56.85 ; 225.74,57.38 226.93,57.38 ; 207.2,78.36 207.84,78.36 ; 207.2,78.36 207.24,78.32 207.24,77.74 ; 207.2,78.36 206.66,78.36 ; 207.84,78.36 207.81,78.36 207.24,77.79 ; 169.15,54.25 169.68,54.25 ; 169.15,54.25 169.16,54.24 169.16,53.69 ; 169.15,54.25 168.58,54.25 ; 169.68,54.25 169.13,53.7 169.13,53.69 ; 169.68,54.25 170.02,54.59 180.65,54.59 182.77,56.7 187.61,56.7 ; 169.12,92.55 169.12,93.13 169.13,93.15 ; 169.12,92.55 169.16,92.55 ; 169.12,92.55 v1(169.12,91.12) ; 245.81,90.76 254.08,90.76 v1(254.12,90.8) ; 245.81,90.76 245.29,90.23 245.29,90.19 ; 245.81,90.76 244.77,90.76 ; 207.23,97.83 207.22,97.81 207.22,97.17 ; 164.69,73.33 164.62,73.33 164.12,72.83 ; 164.69,73.33 164.69,73.32 ; 164.69,73.33 164.12,73.9 ; v1(175.85,31.12) 175.56,31.42 175.56,32.16 ; 207.74,97.83 207.22,97.3 207.22,97.17 ; 207.74,97.83 206.72,97.83 ; 207.74,97.83 217.58,97.83 220.43,94.97 225.78,94.97 ; v1(207.27,57.8) 207.27,58.79 ; 207.27,58.79 207.27,58.8 207.8,59.33 ; 207.27,58.79 207.27,59.33 208.09,59.33 ; 207.27,58.79 207.27,58.85 206.78,59.33 ; v1(264.4,88.76) 262.56,90.6 259.78,90.6 v1(259.76,90.58) ; 226.32,94.43 226.32,94.44 225.78,94.97 ; 226.32,94.43 226.86,94.97 ; 226.32,94.43 226.32,94.39 ; 244.78,71.21 245.88,71.21 ; 244.78,71.21 245.3,70.69 ; 244.78,71.21 243.09,71.21 242.45,70.57 238.49,70.57 236.74,72.32 236.74,74.89 235.6,76.03 226.85,76.03 ; 207.24,77.74 207.24,77.79 ; 207.24,77.74 v1(207.24,76.84) ; 207.24,77.79 206.66,78.36 ; 206.72,97.83 207.22,97.33 207.22,97.17 ; v1(169.16,53.09) 169.16,53.69 ; 169.16,53.69 169.13,53.69 ; 164.73,54.25 164.18,54.25 164.12,54.18 ; 164.73,54.25 164.58,54.25 ; 164.73,54.25 168.58,54.25 ; 226.28,94.97 226.32,94.94 226.32,94.39 ; 226.28,94.97 226.86,94.97 ; 226.28,94.97 225.78,94.97 ; 188.11,94.45 187.51,95.05 ; 226.85,76.03 226.31,75.48 226.31,75.43 ; v1(162.03,72.41) 151.56,72.41 149.58,74.39 149.58,81.11 v1(150.09,81.62) ; 164.69,73.32 v1(167.28,73.32) 167.49,73.53 168.74,73.53 ; 164.69,73.32 164.17,73.32 164.12,73.27 ; 207.8,59.33 206.78,59.33 ; 207.8,59.33 208.09,59.33 208.09,59.33 ; 206.78,59.33 201.1,59.33 198.92,57.15 195.43,57.15 194.99,56.7 188.8,56.7 ; 169.15,73.53 169.15,73.09 ; 169.15,73.53 168.74,73.53 ; 169.15,73.53 169.59,73.53 ; 169.15,73.09 169.15,73.12 168.74,73.53 ; 169.15,73.09 169.15,72.12 v1(169.12,72.08) ; 169.15,73.09 169.59,73.53 ; 206.66,78.36 201.94,78.36 199.48,75.9 188.17,75.9 ; 226.34,56.85 226.4,56.85 226.93,57.38 ; 226.34,56.85 226.34,57.37 226.33,57.38 226.33,56.18 ; 164.12,73.9 164.12,73.27 ; 169.59,73.53 182.45,73.53 184.82,75.9 187.64,75.9 ; v1(264.4,50.66) 263.46,51.61 260.68,51.61 258.49,49.41 258.49,44.22 258.03,43.77 256.74,43.77 v1(256.21,44.31) ; v1(256.18,59.74) 256.18,58.6 256.96,57.82 257.87,57.82 258.39,58.34 258.39,68.93 259.17,69.71 v1(264.4,69.71) ; 188.23,56.12 188.23,56.13 188.8,56.7 ; 188.23,56.12 188.19,56.12 187.61,56.7 ; 188.23,56.12 188.23,56.67 188.2,56.7 ; 188.23,56.12 v1(188.23,55.41) ; 245.29,90.19 245.29,90.24 244.77,90.76 ; 245.29,90.19 v1(245.29,88.74) ; 244.93,52.22 242.46,52.22 241.92,51.68 239.06,51.68 237.39,53.35 237.39,55.26 235.27,57.38 226.93,57.38 ; 244.93,52.22 244.98,52.22 ; 244.93,52.22 245.39,52.22 ; 244.93,52.22 245.39,51.76 245.39,51.71 ; 226.31,75.14 226.31,75.12 226.31,75.13 ; 207.22,97.17 v1(207.22,95.89) ; 165.8,32.75 163.42,30.38 v1(163.42,29.57) ; 165.8,32.75 165.8,33.37 ; 165.8,32.75 166.44,32.75 ; 246,52.22 251.44,52.22 v1(253.31,54.09) ; 246,52.22 245.39,52.22 ; 246,52.22 245.49,51.71 245.39,51.71 ; v1(188.18,93.53) 188.18,94.82 188.2,94.84 ; 187.61,56.7 188.2,56.7 ; 245.39,51.71 245.39,52.22 ; 245.39,51.71 245.39,50.73 v1(245.4,50.72) ; 169.13,53.69 168.58,54.25 ; 164.58,54.25 164.57,54.25 164.12,54.69 ; 164.58,54.25 164.55,54.25 164.12,53.81 ; 226.86,94.97 235.15,94.97 239.36,90.76 244.77,90.76 ; 175.56,32.16 175.56,32.75 ; 175.56,32.16 174.97,32.75 174.85,32.75 ; 174.85,32.75 175.56,32.75 ; 174.85,32.75 166.44,32.75 ; 175.56,32.75 177.17,34.36 197.35,34.36 v1(197.73,33.99) ; 245.36,70.69 245.88,71.21 ; 245.88,71.21 251.61,71.21 v1(252.02,71.62) ; 245.35,70.92 v1(245.35,69.72) ; 169.16,92.55 169.01,92.55 168.41,93.15 168.02,93.15 ; 187.64,75.9 188.17,75.9 ; 187.64,75.9 188.22,75.33 188.78,75.89 ; 164.12,53.81 164.12,41.7 v1(164.17,41.65) ; 164.12,53.81 164.12,54.18 ; 188.22,75.85 188.17,75.9 ; 188.2,56.7 188.8,56.7 ; v1(148.56,62.04) 148.56,59.06 149.58,58.04 149.58,55.72 151.79,53.51 160.66,53.51 v1(161.23,52.94) ; 164.12,73.27 164.12,72.83 ; v1(226.32,93.53) 226.32,94.39 ; 165.8,33.37 166.42,32.75 166.44,32.75 ; 165.8,33.37 v1(165.8,36.95) ; 164.12,54.69 164.12,72.83 ; 164.12,54.69 164.12,54.18 ; 188.19,94.45 188.19,95.03 ; v1(226.31,74.47) 226.31,75.43 ; 226.31,75.43 226.31,75.99 226.34,76.03 ; v1(188.21,74.48) 188.21,75.07 ; 188.21,75.07 188.21,75.63 ; 188.21,75.07 188.21,75.1
  Bottom w0.508: v1(259.76,90.58) 258.23,89.05 258.23,85.5 257.57,84.84 256.83,84.84 256.31,85.36 256.31,88.62 v1(254.12,90.8) ; v1(256.21,44.31) 256.21,51.18 253.31,54.08 v1(253.31,54.09) ; rEXLED1.1 150.1,81.62 v1(150.09,81.62) ; v1(252.02,71.62) 253.98,71.62 256.18,69.42 v1(256.18,59.74) ; v1(167.28,73.32) 167.27,73.31 rD1.1 ; v1(164.17,72.36) 164.12,72.41 v1(162.03,72.41) ; v1(148.56,62.04) 149.09,62.57 rEXLED2.1 ; v1(165.8,36.95) 164.17,38.59 v1(164.17,41.65) ; v1(161.23,52.94) 163.57,52.94 v1(164.17,53.53) ; v1(163.42,29.57) rLED1.1
Net-(rEXLED1-DIN): length 193.8
  Top w0.203: v1(163.86,93.31) 164.93,94.38 v1(165.04,94.38)
  Bottom w0.203: 240.76,92.37 240.76,87.85 rJP1.2 ; 240.76,92.37 240.76,92.41 240.49,92.68 ; 240.76,92.37 240.76,92.68 ; 240.76,92.37 240.76,92.44 241,92.68 ; rEXLED1.4 155.87,81.62 157.43,83.17 159.52,83.17 163.49,87.14 163.49,92.94 163.97,93.42 ; 240.49,92.68 238.03,92.68 234.56,96.16 220.24,96.16 217.56,98.84 202.36,98.84 200.2,96.69 183.77,96.69 181.42,94.34 165.08,94.34 v1(165.04,94.38) ; 240.49,92.68 240.76,92.68 ; rLED21.2 264.4,49.01 265.22,48.19 274.69,48.19 275.96,49.45 275.96,90.42 274.79,91.59 258.94,91.59 257.84,92.68 241,92.68 ; 240.76,92.68 241,92.68
Net-(rEXLED1-DOUT): length 25.8
  Bottom w0.203: rEXLED1.2 149.32,79.44 149.32,74.31 150.2,73.43 150.2,73.42 150.97,72.65 156.89,72.65 157.8,71.74 157.8,64.67 rEXLED2.4
Net-(rJ1-CC1): length 11.5
  Bottom w0.203: rR1.2 143.74,86.5 144.38,85.85 149.52,85.85 149.65,85.98 rJ1.A5
Net-(rJ1-CC2): length 11.1
  Bottom w0.203: rR2.2 158.04,86.47 157.42,85.85 152.64,85.85 152.65,85.86 rJ1.B5
Net-(rJP1-A): length 58.5
  Top w0.203: v1(254.61,86.69) 254.58,86.73 254.58,89.49 253.86,90.21 251.35,90.21 250.3,89.16 250.3,86.49 250.09,86.28 246.24,86.28 245.35,87.16 v1(245.35,87.35) ; v1(270,88.76) 270,87.21 269.05,86.26 265.35,86.26 265.06,86.55 265.06,87.71 264.65,88.12 263.97,88.12 262.71,89.38 259.98,89.38 258.83,88.22 258.83,84.98 258.1,84.25 258.1,77.31 257.73,76.95 256.84,76.95 256.4,77.38 v1(256.4,79.98)
  Bottom w0.203: rJP1.1 242.46,87.35 v1(245.35,87.35) rLED18.2 ; v1(254.61,86.69) 254.61,86.29 256.4,84.5 v1(256.4,79.98)
Net-(rLED1-DOUT): length 41.1
  Top w0.203: v1(160.44,28.51) 160.44,28.75 162.16,30.47 162.16,33.81 164.71,36.36 v1(165.06,36.36)
  Bottom w0.203: rLED2.4 175.04,53.04 176.24,54.24 177.67,54.24 178.35,53.56 178.35,51.96 175.94,49.55 175.94,45.27 174.63,43.96 170.72,43.96 169.35,42.59 169.35,37.69 168.02,36.36 v1(165.06,36.36)
Net-(rLED2-DOUT): length 32.1
  Top w0.203: v1(167.64,55.03) 167.8,55.19 v1(167.8,59.76)
  Bottom w0.203: v1(167.64,55.03) 167.64,53.58 167.53,53.47 167.53,52.2 168.18,51.55 169.06,51.55 ; rLED3.4 175,72.09 176.22,73.31 177.59,73.31 178.29,72.61 178.29,71.09 176.03,68.82 176.03,66.03 173.04,63.04 171.08,63.04 v1(167.8,59.76)
Net-(rLED3-DOUT): length 31.8
  Top w0.203: v1(170.78,82.24) 167.95,79.42 v1(167.95,76.15)
  Bottom w0.203: 168.71,70.69 168.22,70.69 167.95,70.96 v1(167.95,76.15) ; rLED4.4 175.98,92.37 177.68,92.37 178.3,91.75 178.3,89.77 175.38,86.85 175.38,84.23 173.39,82.24 170.78,82.24 v1(170.78,82.24)
Net-(rLED4-DOUT): length 33
  Top w0.203: v1(169.14,89.74) 169.14,88.8 169.31,88.63 174.07,88.63 174.16,88.72 174.16,91.51 175.19,92.54 181.64,92.54 183.4,94.3 185.69,94.3 189,90.99 192.86,90.99 193.8,91.93 v1(193.8,93.52)
  Bottom w0.203: v1(169.14,89.74) 169.14,89.74 rLED4.2
Net-(rLED5-DOUT): length 22.5
  Top w0.203: v1(188.13,80.99) v1(188.13,79.72)
  Bottom w0.203: rLED5.2 187.95,91.87 187.95,81.17 v1(188.13,80.99) ; rLED6.4 193.8,77.65 191.51,79.94 188.34,79.94 v1(188.13,79.72)
Net-(rLED6-DOUT): length 20.2
  Top w0.203: v1(188.15,63.32) 192.49,58.98 v1(192.49,57.45)
  Bottom w0.203: rLED6.2 187.91,72.78 187.91,63.56 v1(188.15,63.32) ; v1(192.49,57.45) 193.8,56.14 rLED7.4
Net-(rLED7-DOUT): length 33.6
  Top w0.203: v1(174.96,33.61) 175.22,33.61 v1(177.97,36.36)
  Bottom w0.203: rLED8.4 180.2,33.41 175.16,33.41 v1(174.96,33.61) ; rLED7.2 187.15,54.02 178.28,45.16 178.28,36.67 v1(177.97,36.36)
Net-(rLED8-DOUT): length 33.4
  Top w0.203: v1(203.37,34.01) 202.73,33.38 202.73,31.75 202.48,31.49 198.6,31.49 196.28,33.82 185.7,33.82 184.99,33.11 184.99,31.54 184.28,30.83 182.16,30.83 180.95,29.62 177.2,28.82 177.07,28.82 v1(176.14,29.76)
  Bottom w0.203: rLED9.4 203.35,33.99 v1(203.37,34.01)
Net-(rLED10-DIN): length 55.1
  Top w0.203: v1(197.12,36.29) 196.74,36.66 195.35,36.66 194.55,37.46 194.55,39.76 198.21,43.42 198.21,55.6 200.88,58.26 v1(205.06,58.26)
  Bottom w0.203: 197.28,32.59 196.86,32.59 196.5,32.95 196.5,35.67 v1(197.12,36.29) ; v1(205.06,58.26) 205.42,57.91 205.42,56.48 206.54,55.35 214.98,55.35 216.38,56.75 216.38,58.33 215.64,59.07 214.48,59.07 213.22,57.8 rLED10.4
Net-(rLED10-DOUT): length 32.7
  Top w0.203: v1(207.48,64.1) 207.45,64.07 v1(207.45,61.97)
  Bottom w0.203: v1(207.48,64.1) 207.48,66.37 209.03,67.92 211.62,67.92 214.16,70.46 214.16,73.42 216.38,75.64 216.38,77.53 215.67,78.24 214.21,78.24 212.85,76.88 212.85,76.85 ; rLED10.2 206.29,56.4 205.81,56.88 205.81,58.43 207.5,60.12 207.5,62 207.49,62 v1(207.45,61.97)
Net-(rLED11-DOUT): length 31.6
  Top w0.203: v1(207.22,79.19) 207.25,79.22 v1(207.25,82.75)
  Bottom w0.203: rLED11.2 206.8,75.45 206.02,76.24 206.02,77.77 207.22,78.97 v1(207.22,79.19) ; rLED12.4 214.16,97.22 215.68,97.22 216.43,96.47 216.43,94.75 214.13,92.44 214.13,89.49 211.48,86.84 209.71,86.84 207.25,84.38 v1(207.25,82.75)
Net-(rLED12-DOUT): length 33.4
  Top w0.203: v1(207.23,94.52) 207.23,93.7 207.54,93.39 211.96,93.39 212.19,93.62 212.19,96.35 213.12,97.28 217.35,97.28 220.43,94.2 223.9,94.2 227.06,91.05 231.1,91.05 231.9,91.84 v1(231.9,93.52)
  Bottom w0.203: v1(207.23,94.52) rLED12.2
Net-(rLED13-DOUT): length 20.1
  Bottom w0.203: rLED13.2 226.06,91.88 226.06,81.92 231.96,76.02 231.96,74.53
Net-(rLED14-DOUT): length 20.1
  Bottom w0.203: rLED15.4 231.9,56.87 226.1,62.67 226.1,72.87 rLED14.2
Net-(rLED15-DOUT): length 35.4
  Top w0.25: v1(226.31,54.03) 226.31,53.68 227.04,52.95 231.15,52.95 231.23,53.03 231.23,56.14 231.9,56.81 235.03,56.81 236.82,55.02 236.82,53.12 238.83,51.11 242.81,51.11 245.76,48.16 250.03,48.16 250.95,49.09 v1(250.95,50.66)
  Bottom w0.25: v1(226.31,54.03) 226.3,54.03 rLED15.2
Net-(rLED16-DOUT): length 32.6
  Top w0.203: v1(243.76,57.36) 247.14,60.74 249.98,60.74 v1(252.14,62.9)
  Bottom w0.203: rLED17.4 251.06,69.71 252.4,71.05 253.78,71.05 254.57,70.26 254.57,68.63 252.14,66.2 252.14,65.92 252.14,65.91 v1(252.14,62.9) ; v1(243.76,57.36) 243.76,50.35 244.85,49.26 rLED16.2
Net-(rLED17-DOUT): length 33.9
  Top w0.203: v1(252.21,81.34) 250.7,79.83 246.87,79.83 v1(243.5,76.47)
  Bottom w0.203: v1(243.5,76.47) 243.5,69.52 244.71,68.31 rLED17.2 ; 251.44,88.76 rLED18.4 250.95,88.9 252.14,90.09 253.68,90.09 254.54,89.23 254.54,87.46 252.21,85.12 v1(252.21,81.34)
Net-(rLED19-DOUT): length 20.2
  Bottom w0.203: rLED19.2 264.11,87.07 264.11,76.89 270.07,70.93 270.07,69.78
Net-(rLED20-DOUT): length 20.2
  Bottom w0.203: rLED21.4 270,52.96 264.07,58.89 264.07,67.98 rLED20.2
Net-(rR6-Pad2): length 6.3
  Top w0.25: v1(229.72,37.36) 228.3,37.36 226.38,39.28 v1(226.33,39.28)
  Bottom w0.25: rR6.2 226.09,39.04 226.09,39.04 v1(226.33,39.28) ; v1(229.72,37.36) 229.72,36.64 rSMDSW1.2
Net-(rU1-RUN): length 25.4
  Top w0.203: v1(211.01,36.07) 212.13,34.94 218.11,34.94 219.52,36.36 227.58,36.36 227.94,36 227.94,35.98 228.16,35.76 v1(231.53,35.76)
  Bottom w0.203: rU1.26 211.42,35.65 v1(211.01,36.07) ; rSMDSW2.2 232.34,36.57 v1(231.53,35.76)
Net-(rU1-USB_DM): length 9
  Bottom w0.203: 211.82,42 211.82,42.86 211.15,43.54 205.23,43.54 204.64,44.13 rR5.1
Net-(rU1-USB_DP): length 8.2
  Bottom w0.203: rR4.2 205.74,44.51 206.3,43.95 211.3,43.95 212.22,43.02 212.22,42
Net-(rU1-XIN): length 11.7
  Bottom w0.203: 213.76,26.99 215.28,28.51 215.28,28.8 ; 214.96,29.06 215.02,29.06 215.28,28.8 ; 214.96,29.06 214.96,29.08 215.29,29.4 ; 214.96,29.06 215.22,29.06 215.25,29.03 215.29,29.03 215.29,29.19 ; 214.96,29.06 rY1.1 ; 215.29,29.4 215.29,31.99 213.82,33.45 rU1.20 ; 215.29,29.4 215.29,29.19 ; 215.28,28.8 215.28,29.18 215.29,29.19
Net-(rU1-XOUT): length 2.1
  Bottom w0.203: rU1.21 213.42,32.96
Net-(U1-RUN): length 22.2
  Top w0.203: v1(47.46,36.88) 47.86,36.88 48.14,37.15 59.15,37.15 60.18,38.18 60.18,39.82 60.62,40.27 v1(61.58,40.27)
  Bottom w0.203: U1.26 62.21,35.63 61.3,36.54 61.3,36.93 61.29,36.94 61.3,36.95 61.3,39.98 v1(61.58,40.27)
Net-(U1-USB_DM): length 3.1
  Bottom w0.203: U1.46 62.61,42.84 61.92,43.52 61.3,43.52 60.82,44
Net-(U1-USB_DP): length 2.6
  Bottom w0.203: 61.9,44.1 62.09,43.91 62.09,43.91 63.01,42.99 U1.47
Net-(U1-XIN): length 11.6
  Bottom w0.203: 67.08,29.01 67.08,31.86 66.03,32.91 64.72,32.91 64.39,33.24 64.39,33.89 64.6,34.1 64.6,34.3 64.61,34.3 U1.20 ; 67.08,29.01 65.84,29.01 ; 67.08,29.01 67.08,27.49 C1.1
Net-(U1-XOUT): length 2.8
  Bottom w0.203: R3.2 63.99,34.04 64.21,34.26 U1.21

## Copper pours and planes (outline as drawn; the poured copper is in the pictures)
GND on Top: 136.45,101.96 -3.98,101.78 -3.79,5.26 136.26,5.45
GND on Bottom: 58.98,34.83 58.94,25.24 68.04,25.19 68.06,34.8
GNDR on Top: 140.78,101.96 281.21,101.78 281.02,5.26 140.97,5.45
GNDR on Bottom: 219.8,34.8 219.83,25.2 207.93,25.18 207.92,34.8

Small or netless copper shapes (teardrops, artwork), in the pictures only: 321 on Top, 576 on Bottom

## Text on the board
B.Fab: Edge of body
B.Silkscreen: Jumper for LED | BOOT | RESET | SWD | GND | SWCLK
F.Silkscreen: v4.1.0
